# KiCad board sizif128.kicad_pcb
title: ZX-SIZIF-128; date: 2021-11-13; rev: C; company: Eugene Lozovoy
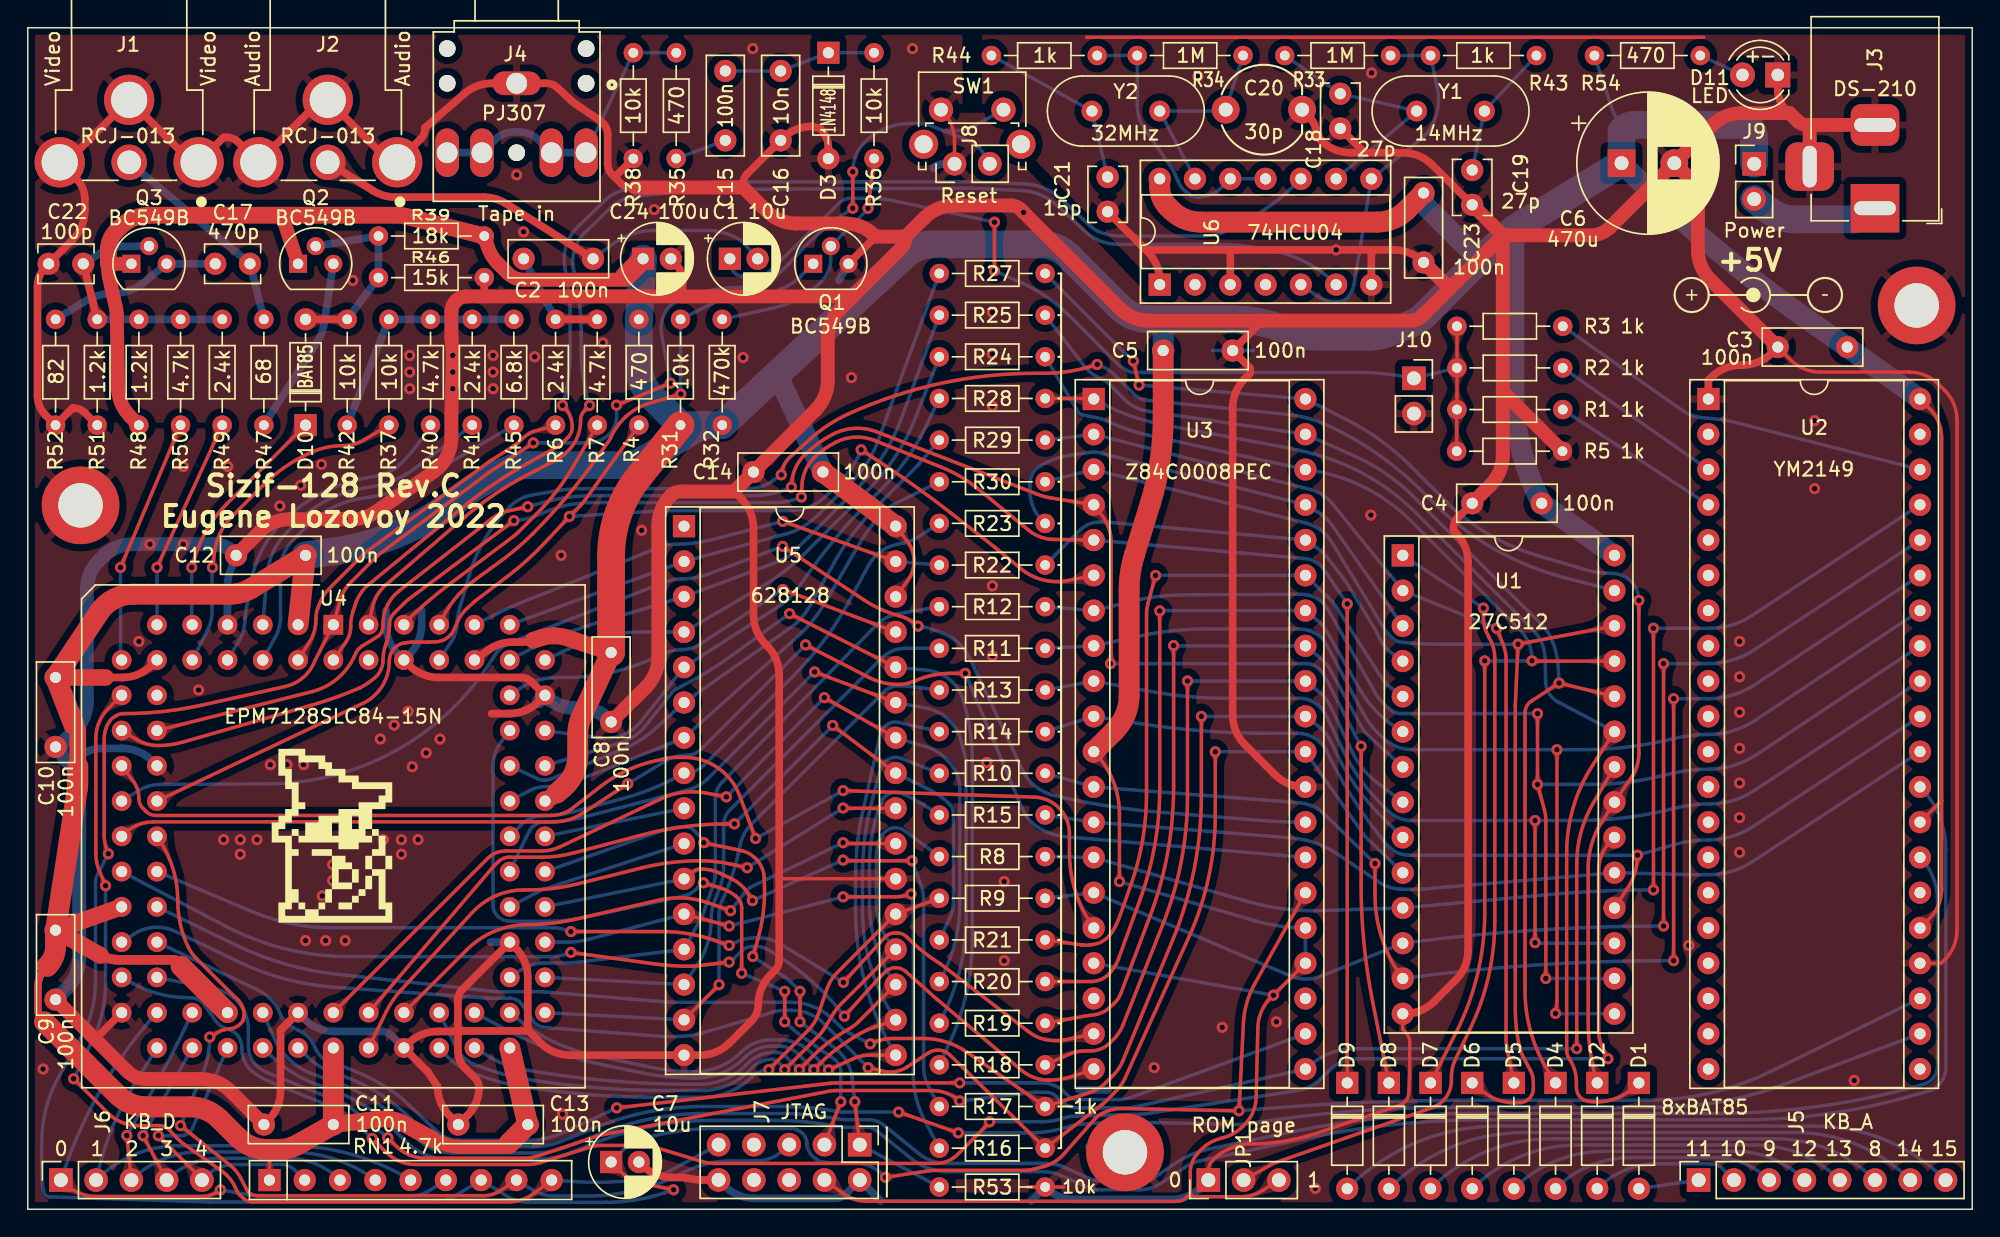
[diagram p0: board, top side]
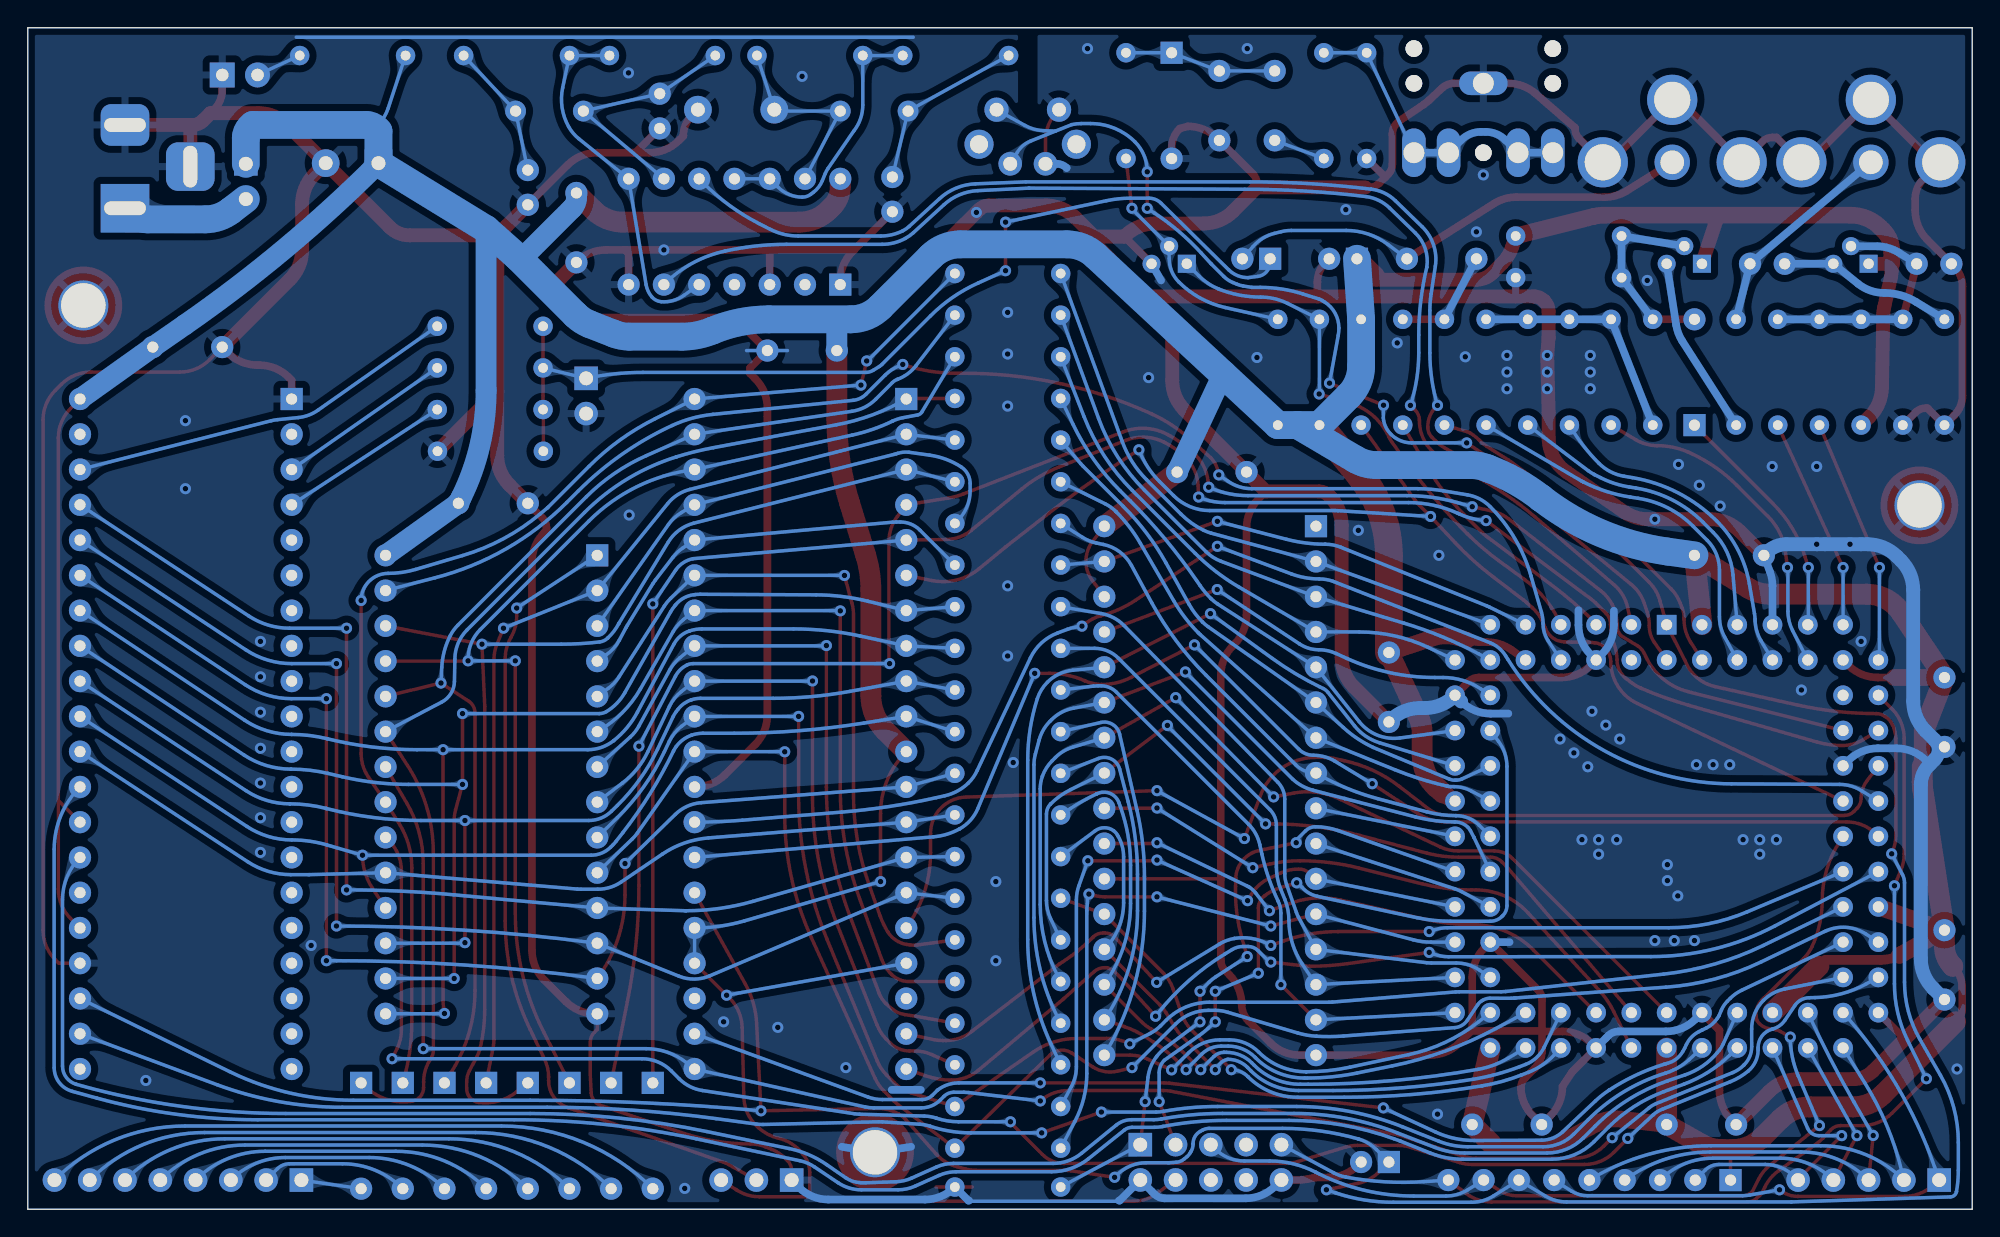
[diagram p1: board, bottom side, seen from below]

Outline 140 x 85.1 mm; copper layers: Top, Bottom. Coordinates in mm from the lower left corner of the outline.
Outline path: 0,85.1 140,85.1 140,0 0,0 0,85.1
Stack: Top 0.035mm / dielectric 1.51mm FR4 er 4.5 / Bottom 0.035mm

## Placement (name value [footprint] x y rotation side)
C1  10u  [CP_Radial_D5.0mm_P2.00mm]  50.55 68.46 0 top
C2  100n  [C_Disc_D7.0mm_W2.5mm_P5.00mm]  35.7 68.46 0 top
C3  100n  [C_Disc_D7.0mm_W2.5mm_P5.00mm]  126 62.1 0 top
C4  100n  [C_Disc_D7.0mm_W2.5mm_P5.00mm]  104 50.85 0 top
C5  100n  [C_Disc_D7.0mm_W2.5mm_P5.00mm]  86.75 61.85 180 top
C6  470u  [CP_Radial_D10.0mm_P3.80mm]  114.75 75.35 0 top
C7  10u  [CP_Radial_D5.0mm_P2.00mm]  42 3.4 0 top
C8  100n  [C_Disc_D7.0mm_W2.5mm_P5.00mm]  42 35.1 90 top
C9  100n  [C_Disc_D7.0mm_W2.5mm_P5.00mm]  2 15.1 90 top
C10  100n  [C_Disc_D7.0mm_W2.5mm_P5.00mm]  2 33.3 90 top
C11  100n  [C_Disc_D7.0mm_W2.5mm_P5.00mm]  17 6.1 0 top
C12  100n  [C_Disc_D7.0mm_W2.5mm_P5.00mm]  15 47.1 0 top
C13  100n  [C_Disc_D7.0mm_W2.5mm_P5.00mm]  31 6.1 0 top
C14  100n  [C_Disc_D7.0mm_W2.5mm_P5.00mm]  52.25 53.1 0 top
C15  100n  [C_Disc_D7.0mm_W2.5mm_P5.00mm]  50.22 76.99 90 top
C16  10n  [C_Disc_D7.0mm_W2.5mm_P5.00mm]  54.21 76.99 90 top
C17  470p  [C_Disc_D3.8mm_W2.6mm_P2.50mm]  13.5 68.1 0 top
C18  27p  [C_Disc_D3.8mm_W2.6mm_P2.50mm]  94.5 77.85 90 top
C19  27p  [C_Disc_D3.8mm_W2.6mm_P2.50mm]  104 72.35 90 top
C20  30p  [C_Trim_D6.3mm_P5.50mm]  87.75 79.2 0 top
C21  15p  [C_Disc_D3.8mm_W2.6mm_P2.50mm]  77.75 71.85 90 top
C22  100p  [C_Disc_D3.8mm_W2.6mm_P2.50mm]  4 68.1 180 top
C23  100n  [C_Disc_D7.0mm_W2.5mm_P5.00mm]  100.5 68.2 90 top
C24  100u  [CP_Radial_D5.0mm_P2.00mm]  44.3 68.46 0 top
D1  BAT85  [D_DO-35_SOD27_P7.62mm_Horizontal]  116 9.1 270 top
D2  BAT85  [D_DO-35_SOD27_P7.62mm_Horizontal]  113 9.1 270 top
D3  1N4148  [D_DO-35_SOD27_P7.62mm_Horizontal]  57.64 83.3 270 top
D4  BAT85  [D_DO-35_SOD27_P7.62mm_Horizontal]  110 9.1 270 top
D5  BAT85  [D_DO-35_SOD27_P7.62mm_Horizontal]  107 9.1 270 top
D6  BAT85  [D_DO-35_SOD27_P7.62mm_Horizontal]  104 9.1 270 top
D7  BAT85  [D_DO-35_SOD27_P7.62mm_Horizontal]  101 9.1 270 top
D8  BAT85  [D_DO-35_SOD27_P7.62mm_Horizontal]  98 9.1 270 top
D9  BAT85  [D_DO-35_SOD27_P7.62mm_Horizontal]  95 9.1 270 top
D10  BAT85  [D_DO-35_SOD27_P7.62mm_Horizontal]  20 56.48 90 top
D11  LED  [LED_D4.0mm]  126 81.7 180 top
H1  MountingHole  [MountingHole_3.2mm_M3_DIN965_Pad_TopOnly]  136 65.1 0 top
H2  MountingHole  [MountingHole_3.2mm_M3_DIN965_Pad_TopOnly]  3.8 50.7 0 top
H3  MountingHole  [MountingHole_3.2mm_M3_DIN965_Pad_TopOnly]  79 4.1 0 top
J1  RCJ-013  [CUI_RCJ-013]  7.3 79.9 0 top
J2  RCJ-013  [CUI_RCJ-013]  21.6 79.9 0 top
J3  DS-210  [BarrelJack_Horizontal]  133 72.1 270 top
J4  PJ307  [SWITCHCRAFT_35RAPC4BHN2]  35.2 80.1 180 top
J5  Conn_01x08  [PinSocket_1x08_P2.54mm_Vertical]  120.3 2.1 90 top
J6  Conn_01x05  [PinSocket_1x05_P2.54mm_Vertical]  2.38 2.1 90 top
J7  Conn_02x05  [PinHeader_2x05_P2.54mm_Vertical]  59.9 4.65 270 top
J8  Conn_01x02  [PinHeader_1x02_P2.54mm_Vertical#2]  66.72 75.3 90 top
J9  Conn_01x02  [PinHeader_1x02_P2.54mm_Vertical]  124.3 75.3 0 top
J10  Conn_01x02_Female  [PinSocket_1x02_P2.54mm_Vertical]  99.8 59.85 0 top
JP1  Jumper_3_Bridged12  [PinHeader_1x03_P2.54mm_Vertical]  85 2.1 90 top
LOGO1  logo  [black-mage-12.5x8.6-r]  21.9 26.9 0 top
LOGO2  logo  [dc_center_positive_big]  124.6 65.85 180 top
Q1  BC549B  [TO-92]  56.55 68.1 0 top
Q2  BC549B  [TO-92]  19.46 68.1 0 top
Q3  BC549B  [TO-92]  7.46 68.1 0 top
R1  1k  [R_Axial_DIN0204_L3.6mm_D1.6mm_P7.62mm_Horizontal]  110.52 57.6 180 top
R2  1k  [R_Axial_DIN0204_L3.6mm_D1.6mm_P7.62mm_Horizontal]  110.52 60.6 180 top
R3  1k  [R_Axial_DIN0204_L3.6mm_D1.6mm_P7.62mm_Horizontal]  110.52 63.6 180 top
R4  470  [R_Axial_DIN0204_L3.6mm_D1.6mm_P7.62mm_Horizontal]  44 56.48 90 top
R5  1k  [R_Axial_DIN0204_L3.6mm_D1.6mm_P7.62mm_Horizontal]  110.5 54.6 180 top
R6  2.4k  [R_Axial_DIN0204_L3.6mm_D1.6mm_P7.62mm_Horizontal]  38 56.48 90 top
R7  4.7k  [R_Axial_DIN0204_L3.6mm_D1.6mm_P7.62mm_Horizontal]  41 56.48 90 top
R8  1k  [R_Axial_DIN0204_L3.6mm_D1.6mm_P7.62mm_Horizontal]  73.25 25.4 180 top
R9  1k  [R_Axial_DIN0204_L3.6mm_D1.6mm_P7.62mm_Horizontal]  73.25 22.4 180 top
R10  1k  [R_Axial_DIN0204_L3.6mm_D1.6mm_P7.62mm_Horizontal]  73.25 31.4 180 top
R11  1k  [R_Axial_DIN0204_L3.6mm_D1.6mm_P7.62mm_Horizontal]  73.25 40.4 180 top
R12  1k  [R_Axial_DIN0204_L3.6mm_D1.6mm_P7.62mm_Horizontal]  73.25 43.4 180 top
R13  1k  [R_Axial_DIN0204_L3.6mm_D1.6mm_P7.62mm_Horizontal]  73.25 37.4 180 top
R14  1k  [R_Axial_DIN0204_L3.6mm_D1.6mm_P7.62mm_Horizontal]  73.25 34.4 180 top
R15  1k  [R_Axial_DIN0204_L3.6mm_D1.6mm_P7.62mm_Horizontal]  73.25 28.4 180 top
R16  1k  [R_Axial_DIN0204_L3.6mm_D1.6mm_P7.62mm_Horizontal]  73.25 4.4 180 top
R17  1k  [R_Axial_DIN0204_L3.6mm_D1.6mm_P7.62mm_Horizontal]  73.25 7.4 180 top
R18  1k  [R_Axial_DIN0204_L3.6mm_D1.6mm_P7.62mm_Horizontal]  73.25 10.4 180 top
R19  1k  [R_Axial_DIN0204_L3.6mm_D1.6mm_P7.62mm_Horizontal]  73.25 13.4 180 top
R20  1k  [R_Axial_DIN0204_L3.6mm_D1.6mm_P7.62mm_Horizontal]  73.25 16.4 180 top
R21  1k  [R_Axial_DIN0204_L3.6mm_D1.6mm_P7.62mm_Horizontal]  73.25 19.4 180 top
R22  1k  [R_Axial_DIN0204_L3.6mm_D1.6mm_P7.62mm_Horizontal]  73.25 46.4 180 top
R23  1k  [R_Axial_DIN0204_L3.6mm_D1.6mm_P7.62mm_Horizontal]  73.25 49.4 180 top
R24  1k  [R_Axial_DIN0204_L3.6mm_D1.6mm_P7.62mm_Horizontal]  73.25 61.4 180 top
R25  1k  [R_Axial_DIN0204_L3.6mm_D1.6mm_P7.62mm_Horizontal]  73.25 64.4 180 top
R27  1k  [R_Axial_DIN0204_L3.6mm_D1.6mm_P7.62mm_Horizontal]  73.25 67.4 180 top
R28  1k  [R_Axial_DIN0204_L3.6mm_D1.6mm_P7.62mm_Horizontal]  73.25 58.4 180 top
R29  1k  [R_Axial_DIN0204_L3.6mm_D1.6mm_P7.62mm_Horizontal]  73.25 55.4 180 top
R30  1k  [R_Axial_DIN0204_L3.6mm_D1.6mm_P7.62mm_Horizontal]  73.25 52.4 180 top
R31  10k  [R_Axial_DIN0204_L3.6mm_D1.6mm_P7.62mm_Horizontal]  47 56.48 90 top
R32  470k  [R_Axial_DIN0204_L3.6mm_D1.6mm_P7.62mm_Horizontal]  50 56.48 90 top
R33  1M  [R_Axial_DIN0204_L3.6mm_D1.6mm_P7.62mm_Horizontal]  90.5 83.1 0 top
R34  1M  [R_Axial_DIN0204_L3.6mm_D1.6mm_P7.62mm_Horizontal]  87.5 83.1 180 top
R35  470  [R_Axial_DIN0204_L3.6mm_D1.6mm_P7.62mm_Horizontal]  46.69 83.3 270 top
R36  10k  [R_Axial_DIN0204_L3.6mm_D1.6mm_P7.62mm_Horizontal]  60.93 83.3 270 top
R37  10k  [R_Axial_DIN0204_L3.6mm_D1.6mm_P7.62mm_Horizontal]  26 56.48 90 top
R38  10k  [R_Axial_DIN0204_L3.6mm_D1.6mm_P7.62mm_Horizontal]  43.6 75.68 90 top
R39  18k  [R_Axial_DIN0204_L3.6mm_D1.6mm_P7.62mm_Horizontal]  25.25 70.1 0 top
R40  4.7k  [R_Axial_DIN0204_L3.6mm_D1.6mm_P7.62mm_Horizontal]  29 56.48 90 top
R41  2.4k  [R_Axial_DIN0204_L3.6mm_D1.6mm_P7.62mm_Horizontal]  32 56.48 90 top
R42  10k  [R_Axial_DIN0204_L3.6mm_D1.6mm_P7.62mm_Horizontal]  23 56.48 90 top
R43  1k  [R_Axial_DIN0204_L3.6mm_D1.6mm_P7.62mm_Horizontal]  108.62 83.1 180 top
R44  1k  [R_Axial_DIN0204_L3.6mm_D1.6mm_P7.62mm_Horizontal]  69.38 83.1 0 top
R45  6.8k  [R_Axial_DIN0204_L3.6mm_D1.6mm_P7.62mm_Horizontal]  35 56.48 90 top
R46  15k  [R_Axial_DIN0204_L3.6mm_D1.6mm_P7.62mm_Horizontal]  25.25 67.1 0 top
R47  68  [R_Axial_DIN0204_L3.6mm_D1.6mm_P7.62mm_Horizontal]  17 64.1 270 top
R48  1.2k  [R_Axial_DIN0204_L3.6mm_D1.6mm_P7.62mm_Horizontal]  8 56.48 90 top
R49  2.4k  [R_Axial_DIN0204_L3.6mm_D1.6mm_P7.62mm_Horizontal]  14 56.48 90 top
R50  4.7k  [R_Axial_DIN0204_L3.6mm_D1.6mm_P7.62mm_Horizontal]  11 56.48 90 top
R51  1.2k  [R_Axial_DIN0204_L3.6mm_D1.6mm_P7.62mm_Horizontal]  5 56.48 90 top
R52  82  [R_Axial_DIN0204_L3.6mm_D1.6mm_P7.62mm_Horizontal]  2 56.48 90 top
R53  10k  [R_Axial_DIN0204_L3.6mm_D1.6mm_P7.62mm_Horizontal]  73.25 1.6 180 top
R54  470  [R_Axial_DIN0204_L3.6mm_D1.6mm_P7.62mm_Horizontal]  112.8 83.1 0 top
RN1  4.7k  [R_Array_SIP9]  17.4 2.1 0 top
SW1  SW_Push  [SW_Tactile_SPST_Angled_PTS645Vx83-2LFS]  65.75 79.2 0 top
U1  27C512  [DIP-28_W15.24mm_Socket]  99 47.1 0 top
U2  YM2149  [DIP-40_W15.24mm_Socket]  121 58.36 0 top
U3  Z84C0008PEC  [DIP-40_W15.24mm_Socket]  76.75 58.36 0 top
U4  EPM7128SLC84-15N  [PLCC-84_THT-Socket]  22 42.1 0 top
U5  628128  [DIP-32_W15.24mm_Socket]  47.25 49.2 0 top
U6  74HCU04  [DIP-14_W7.62mm_Socket]  81.5 66.6 90 top
Y1  14MHz  [Crystal_HC49-U_Vertical]  100 79.1 0 top
Y2  32MHz  [Crystal_HC49-U_Vertical]  81.5 79.1 180 top

## Library data of the parts
D1-D10 = -: Field4: K
J3 = -: Desc: DC IN / 5V
J4 = -: Desc: EAR
J5 = -: Desc: KB_A
J6 = -: Desc: KB_D
J7 = -: Desc: JTAG
LOGO1 = -: Desc: Logo
LOGO2 = -: Desc: DC
SW1 = -: Desc: RST
U4 = -: Alternative: ATF1508AS

## Footprints (pads in the part's own frame, mm; a bottom-side part is the same pattern mirrored in y, then rotated)
BarrelJack_Horizontal
  rect 3.5x3.5 hole 1x3: 1(0,0)
  rrect 3x3.5 hole 1x3: 2(-6,0)
  rrect 3.5x3.5 hole 3x1: 3(-3,-4.7)
C_Disc_D3.8mm_W2.6mm_P2.50mm
  round 1.6 hole 0.8: 1(0,0) 2(2.5,0)
C_Disc_D7.0mm_W2.5mm_P5.00mm
  round 1.6 hole 0.8: 1(0,0) 2(5,0)
C_Trim_D6.3mm_P5.50mm
  round 2 hole 1: 1(-1.5,0) 2(4,0)
CP_Radial_D5.0mm_P2.00mm
  rect 1.6x1.6 hole 0.8: 1(0,0)
  round 1.6 hole 0.8: 2(2,0)
CP_Radial_D10.0mm_P3.80mm
  rect 2x2 hole 1: 1(0,0)
  round 2 hole 1: 2(3.8,0)
Crystal_HC49-U_Vertical
  round 1.5 hole 0.8: 1(0,0) 2(4.88,0)
CUI_RCJ-013
  round 2.55 hole 1.7: 1(0,-4.489)
  round 3.616 hole 2.6: 2(-5,-4.489) 2(0,0.011) 2(5,-4.489)
D_DO-35_SOD27_P7.62mm_Horizontal
  rect 1.6x1.6 hole 0.8: 1(0,0)
  oval 1.6x1.6 hole 0.8: 2(7.62,0)
DIP-14_W7.62mm_Socket
  rect 1.6x1.6 hole 0.8: 1(0,0)
  oval 1.6x1.6 hole 0.8: 2(0,-2.54) 3(0,-5.08) 4(0,-7.62) 5(0,-10.16) 6(0,-12.7) 7(0,-15.24) 8(7.62,-15.24) 9(7.62,-12.7) 10(7.62,-10.16) 11(7.62,-7.62) 12(7.62,-5.08) 13(7.62,-2.54) 14(7.62,0)
DIP-28_W15.24mm_Socket
  rect 1.6x1.6 hole 0.8: 1(0,0)
  oval 1.6x1.6 hole 0.8: 2(0,-2.54) 3(0,-5.08) 4(0,-7.62) 5(0,-10.16) 6(0,-12.7) 7(0,-15.24) 8(0,-17.78) 9(0,-20.32) 10(0,-22.86) 11(0,-25.4) 12(0,-27.94) 13(0,-30.48) 14(0,-33.02) 15(15.24,-33.02) 16(15.24,-30.48) 17(15.24,-27.94) 18(15.24,-25.4) 19(15.24,-22.86) 20(15.24,-20.32) 21(15.24,-17.78) 22(15.24,-15.24) 23(15.24,-12.7) 24(15.24,-10.16) 25(15.24,-7.62) 26(15.24,-5.08) 27(15.24,-2.54) 28(15.24,0)
DIP-32_W15.24mm_Socket
  rect 1.6x1.6 hole 0.8: 1(0,0)
  oval 1.6x1.6 hole 0.8: 2(0,-2.54) 3(0,-5.08) 4(0,-7.62) 5(0,-10.16) 6(0,-12.7) 7(0,-15.24) 8(0,-17.78) 9(0,-20.32) 10(0,-22.86) 11(0,-25.4) 12(0,-27.94) 13(0,-30.48) 14(0,-33.02) 15(0,-35.56) 16(0,-38.1) 17(15.24,-38.1) 18(15.24,-35.56) 19(15.24,-33.02) 20(15.24,-30.48) 21(15.24,-27.94) 22(15.24,-25.4) 23(15.24,-22.86) 24(15.24,-20.32) 25(15.24,-17.78) 26(15.24,-15.24) 27(15.24,-12.7) 28(15.24,-10.16) 29(15.24,-7.62) 30(15.24,-5.08) 31(15.24,-2.54) 32(15.24,0)
DIP-40_W15.24mm_Socket
  rect 1.6x1.6 hole 0.8: 1(0,0)
  oval 1.6x1.6 hole 0.8: 2(0,-2.54) 3(0,-5.08) 4(0,-7.62) 5(0,-10.16) 6(0,-12.7) 7(0,-15.24) 8(0,-17.78) 9(0,-20.32) 10(0,-22.86) 11(0,-25.4) 12(0,-27.94) 13(0,-30.48) 14(0,-33.02) 15(0,-35.56) 16(0,-38.1) 17(0,-40.64) 18(0,-43.18) 19(0,-45.72) 20(0,-48.26) 21(15.24,-48.26) 22(15.24,-45.72) 23(15.24,-43.18) 24(15.24,-40.64) 25(15.24,-38.1) 26(15.24,-35.56) 27(15.24,-33.02) 28(15.24,-30.48) 29(15.24,-27.94) 30(15.24,-25.4) 31(15.24,-22.86) 32(15.24,-20.32) 33(15.24,-17.78) 34(15.24,-15.24) 35(15.24,-12.7) 36(15.24,-10.16) 37(15.24,-7.62) 38(15.24,-5.08) 39(15.24,-2.54) 40(15.24,0)
LED_D4.0mm
  rect 1.8x1.8 hole 0.9: 1(0,0)
  round 1.8 hole 0.9: 2(2.54,0)
MountingHole_3.2mm_M3_DIN965_Pad_TopOnly
  round 3.6 hole 3.2: 1(0,0)
  round 5.6 smd: 1(0,0)
PinHeader_1x02_P2.54mm_Vertical
  rect 1.7x1.7 hole 1: 1(0,0)
  oval 1.7x1.7 hole 1: 2(0,-2.54)
PinHeader_1x02_P2.54mm_Vertical#2
  round 1.7 hole 1: 1(0,0)
  oval 1.7x1.7 hole 1: 2(0,-2.54)
PinHeader_1x03_P2.54mm_Vertical
  rect 1.7x1.7 hole 1: 1(0,0)
  oval 1.7x1.7 hole 1: 2(0,-2.54) 3(0,-5.08)
PinHeader_2x05_P2.54mm_Vertical
  rect 1.7x1.7 hole 1: 1(0,0)
  oval 1.7x1.7 hole 1: 2(2.54,0) 3(0,-2.54) 4(2.54,-2.54) 5(0,-5.08) 6(2.54,-5.08) 7(0,-7.62) 8(2.54,-7.62) 9(0,-10.16) 10(2.54,-10.16)
PinSocket_1x02_P2.54mm_Vertical
  rect 1.7x1.7 hole 1: 1(0,0)
  oval 1.7x1.7 hole 1: 2(0,-2.54)
PinSocket_1x05_P2.54mm_Vertical
  rect 1.7x1.7 hole 1: 1(0,0)
  oval 1.7x1.7 hole 1: 2(0,-2.54) 3(0,-5.08) 4(0,-7.62) 5(0,-10.16)
PinSocket_1x08_P2.54mm_Vertical
  rect 1.7x1.7 hole 1: 1(0,0)
  oval 1.7x1.7 hole 1: 2(0,-2.54) 3(0,-5.08) 4(0,-7.62) 5(0,-10.16) 6(0,-12.7) 7(0,-15.24) 8(0,-17.78)
PLCC-84_THT-Socket
  rect 1.422x1.422 hole 0.8: 1(0,0)
  round 1.422 hole 0.8: 2(0,-2.54) 3(-2.54,0) 4(-2.54,-2.54) 5(-5.08,0) 6(-5.08,-2.54) 7(-7.62,0) 8(-7.62,-2.54) 9(-10.16,0) 10(-10.16,-2.54) 11(-12.7,0) 12(-15.24,-2.54) 13(-12.7,-2.54) 14(-15.24,-5.08) 15(-12.7,-5.08) 16(-15.24,-7.62) 17(-12.7,-7.62) 18(-15.24,-10.16) 19(-12.7,-10.16) 20(-15.24,-12.7) 21(-12.7,-12.7) 22(-15.24,-15.24) 23(-12.7,-15.24) 24(-15.24,-17.78) 25(-12.7,-17.78) 26(-15.24,-20.32) 27(-12.7,-20.32) 28(-15.24,-22.86) 29(-12.7,-22.86) 30(-15.24,-25.4) 31(-12.7,-25.4) 32(-15.24,-27.94) 33(-12.7,-30.48) 34(-12.7,-27.94) 35(-10.16,-30.48) 36(-10.16,-27.94) 37(-7.62,-30.48) 38(-7.62,-27.94) 39(-5.08,-30.48) 40(-5.08,-27.94) 41(-2.54,-30.48) 42(-2.54,-27.94) 43(0,-30.48) 44(0,-27.94) 45(2.54,-30.48) 46(2.54,-27.94) 47(5.08,-30.48) 48(5.08,-27.94) 49(7.62,-30.48) 50(7.62,-27.94) 51(10.16,-30.48) 52(10.16,-27.94) 53(12.7,-30.48) 54(15.24,-27.94) 55(12.7,-27.94) 56(15.24,-25.4) 57(12.7,-25.4) 58(15.24,-22.86) 59(12.7,-22.86) 60(15.24,-20.32) 61(12.7,-20.32) 62(15.24,-17.78) 63(12.7,-17.78) 64(15.24,-15.24) 65(12.7,-15.24) 66(15.24,-12.7) 67(12.7,-12.7) 68(15.24,-10.16) 69(12.7,-10.16) 70(15.24,-7.62) 71(12.7,-7.62) 72(15.24,-5.08) 73(12.7,-5.08) 74(15.24,-2.54) 75(12.7,0) 76(12.7,-2.54) 77(10.16,0) 78(10.16,-2.54) 79(7.62,0) 80(7.62,-2.54) 81(5.08,0) 82(5.08,-2.54) 83(2.54,0) 84(2.54,-2.54)
R_Array_SIP9
  rect 1.6x1.6 hole 0.8: 1(0,0)
  oval 1.6x1.6 hole 0.8: 2(2.54,0) 3(5.08,0) 4(7.62,0) 5(10.16,0) 6(12.7,0) 7(15.24,0) 8(17.78,0) 9(20.32,0)
R_Axial_DIN0204_L3.6mm_D1.6mm_P7.62mm_Horizontal
  round 1.4 hole 0.7: 1(0,0)
  oval 1.4x1.4 hole 0.7: 2(7.62,0)
SW_Tactile_SPST_Angled_PTS645Vx83-2LFS
  round 2.1 hole 1.3: (-1.25,-2.49) (5.76,-2.49)
  round 1.75 hole 0.99: 1(0,0) 2(4.5,0)
SWITCHCRAFT_35RAPC4BHN2
  round 1.2 hole 1.2 unplated: (-5,-1) (-5,-3.5) (0,4) (5,-1) (5,-3.5)
  oval 1.7x3.5 hole 1.5: R(5,4) RN(2.5,4) T(-5,4) TN(-2.5,4)
  oval 3.5x1.7 hole 1.5: S(0,-1)
TO-92
  rect 1.3x1.3 hole 0.75: 1(0,0)
  round 1.3 hole 0.75: 2(1.27,1.27) 3(2.54,0)

## Nets
+5V: C3.2 C4.2 C5.2 C6.1 C8.2 C9.2 C10.2 C11.2 C12.2 C13.2 C14.2 C23.2 C24.1 J7.4 J9.1 JP1.3 Q2.1 Q3.1 R4.2 R31.1 R32.1 R39.2 R48.1 R54.1 RN1.1 U1.28 U2.25 U2.28 U2.40 U3.11 U3.17 U3.24 U3.25 U4.3 U4.13 U4.26 U4.38 U4.43 U4.53 U4.66 U4.78 U5.30 U5.32 U6.14
GND: C3.1 C4.1 C5.1 C6.2 C7.2 C8.1 C9.1 C10.1 C11.1 C12.1 C13.1 C14.1 C16.1 C18.1 C19.1 C20.2 C21.1 C22.2 C23.1 C24.2 D3.2 D11.1 H1.1 H2.1 H3.1 J1.2 J2.2 J3.2 J3.3 J4.S J7.2 J7.10 J8.1 J10.2 JP1.1 Q1.3 R5.1 R38.1 R46.2 R51.1 R52.1 R53.1 SW1.1 U1.14 U2.1 U2.24 U3.29 U4.7 U4.19 U4.32 U4.42 U4.47 U4.59 U4.72 U4.82 U5.16 U5.22 U6.1 U6.3 U6.7
A0: R16.1 U1.10 U3.30 U4.28
A1: R17.1 U1.9 U3.31 U4.27
A2: R18.1 U1.8 U3.32
A3: R19.1 U1.7 U3.33
A4: R20.1 U1.6 U3.34
A5: R21.1 U1.5 U3.35
A6: R22.1 U1.4 U3.36
A7: R23.1 U1.3 U3.37
A8: D7.1 R24.1 U1.25 U3.38
A9: D4.1 R25.1 U1.24 U3.39
A10: D2.1 R27.1 U1.21 U3.40
A11: D1.1 R28.1 U1.23 U3.1
A12: D5.1 R29.1 U1.2 U3.2
A13: D6.1 R30.1 U1.26 U3.3
A14: D8.1 U3.4 U4.17
A15: D9.1 U3.5 U4.16
AY_BC1: U2.29 U4.39
AY_BDIR: U2.27 U4.40
AY_CLK: U2.22 U4.41
BEEPER: R6.1 U4.4
Blue: R37.1 U4.10
Bright: R45.1 U4.6
CHROMA0: R50.1 U4.12
CHROMA1: R49.1 U4.11
CLK14: U4.83 U6.6
CLK32: U4.2 U6.10
CLKCPU: R4.1 U3.6 U4.21
Csync: D10.1 U4.9
D0: R8.1 U1.11 U2.37 U3.14
D1: R9.1 U1.12 U2.36 U3.15
D2: R10.1 U1.13 U2.35 U3.12
D3: R11.1 U1.15 U2.34 U3.8
D4: R12.1 U1.16 U2.33 U3.7
D5: R13.1 U1.17 U2.32 U3.9
D6: R14.1 U1.18 U2.31 U3.10
D7: R15.1 U1.19 U2.30 U3.13
Green: R41.1 U4.5
KD0: J6.1 RN1.6 U4.34
KD1: J6.2 RN1.5 U4.33
KD2: J6.3 RN1.4 U4.36
KD3: J6.4 RN1.3 U4.35
KD4: J6.5 RN1.2 U4.37
nINT: U3.16 U4.18
nIORQ: U3.20 U4.24
nM1: U3.27 U4.22
nMREQ: U3.19 U4.25
nRD: U1.22 U3.21 U4.31
nRFSH: U3.28 U4.20
nROMCS: U1.20 U4.30
nRST: C7.1 J8.2 RN1.7 SW1.2 U2.23 U3.26 U4.1
nVRD: U4.45 U5.24
nVWR: U4.73 U5.29
nWR: U3.22 U4.29
RA14: U1.27 U4.80
Red: R40.1 U4.8
SOUND: C1.2 C2.2 J2.1
TAPE_IN: J4.R J4.RN J4.T J4.TN R35.1 R38.2
TAPE_IN0: Q1.1 R31.2 U4.79
TAPE_OUT: R7.1 U4.81
TCK: J7.1 R53.2 U4.62
TDI: J7.9 RN1.9 U4.14
TDO: J7.3 U4.71
TMS: J7.5 RN1.8 U4.23
VA0: R16.2 U4.58 U5.12
VA1: R17.2 U4.60 U5.11
VA2: R18.2 U4.68 U5.28
VA3: R19.2 U4.63 U5.27
VA4: R20.2 U4.44 U5.26
VA5: R21.2 U4.46 U5.25
VA6: R22.2 U4.77 U5.31
VA7: R23.2 U4.65 U5.8
VA8: R24.2 U4.74 U5.4
VA9: R25.2 U4.76 U5.3
VA10: R27.2 U4.75 U5.2
VA11: R28.2 U4.70 U5.5
VA12: R29.2 U4.69 U5.6
VA13: R30.2 U4.67 U5.7
VA14: U4.61 U5.10
VA15: U4.64 U5.9
VA16: U4.48 U5.23
VD0: R8.2 U4.50 U5.20
VD1: R9.2 U4.49 U5.21
VD2: R10.2 U4.52 U5.18
VD3: R11.2 U4.56 U5.14
VD4: R12.2 U4.57 U5.13
VD5: R13.2 U4.54 U5.15
VD6: R14.2 U4.55 U5.17
VD7: R15.2 U4.51 U5.19
VIDEO: C17.2 J1.1 R47.1
Net-(C1-Pad1): C1.1 J10.1 R1.2 R2.2 R3.2 R5.2
Net-(C2-Pad1): C2.1 R6.2 R7.2
Net-(C15-Pad1): C15.1 R35.2
Net-(C15-Pad2): C15.2 C16.2 D3.1 R36.1
Net-(C17-Pad1): C17.1 Q3.3 R52.2
Net-(C18-Pad2): C18.2 R33.1 U6.9 Y1.1
Net-(C19-Pad2): C19.2 R43.1 Y1.2
Net-(C20-Pad1): C20.1 R34.1 U6.13 Y2.1
Net-(C21-Pad2): C21.2 R44.1 Y2.2
Net-(C22-Pad1): C22.1 Q3.2 R48.2 R49.2 R50.2 R51.2
Net-(D1-Pad2): D1.2 J5.1
Net-(D2-Pad2): D2.2 J5.2
Net-(D4-Pad2): D4.2 J5.3
Net-(D5-Pad2): D5.2 J5.4
Net-(D6-Pad2): D6.2 J5.5
Net-(D7-Pad2): D7.2 J5.6
Net-(D8-Pad2): D8.2 J5.7
Net-(D9-Pad2): D9.2 J5.8
Net-(D10-Pad2): D10.2 Q2.2 R39.1 R42.2 R46.1
Net-(D11-Pad2): D11.2 R54.2
Net-(J3-Pad1): J3.1 J9.2
Net-(JP1-Pad2): JP1.2 U1.1
Net-(Q1-Pad2): Q1.2 R32.2 R36.2
Net-(Q2-Pad3): Q2.3 R47.2
Net-(R1-Pad1): R1.1 U2.4
Net-(R2-Pad1): R2.1 U2.3
Net-(R3-Pad1): R3.1 U2.38
Net-(R33-Pad2): R33.2 R43.2 U6.5 U6.8
Net-(R34-Pad2): R34.2 R44.2 U6.11 U6.12
Net-(R37-Pad2): R37.2 R40.2 R41.2 R42.1 R45.2

Pads without a net: J7 6 7 8; U2 2 5 6 7 8 9 10 11 12 13 14 15 16 17 18 19 20 21 26 39; U3 18 23; U4 15 84; U5 1; U6 2 4

## Via types
v1: diameter 0.8, hole 0.4, Top to Bottom, 213 vias
